# Altium PCB cyber60-alps-b2.PcbDoc (part 2 of 4)
Units mm, origin at the board's own origin, x right, y up, seen from the top; angles counter-clockwise.
Board outline 284.7 x 94.21 mm, 2 copper layers (Component Side, Bottom Layer), stack 1.571 mm thick; 225 components, 138 nets, 766 pads, 291 vias.
Unrouted connection lines stored in the file: 72.
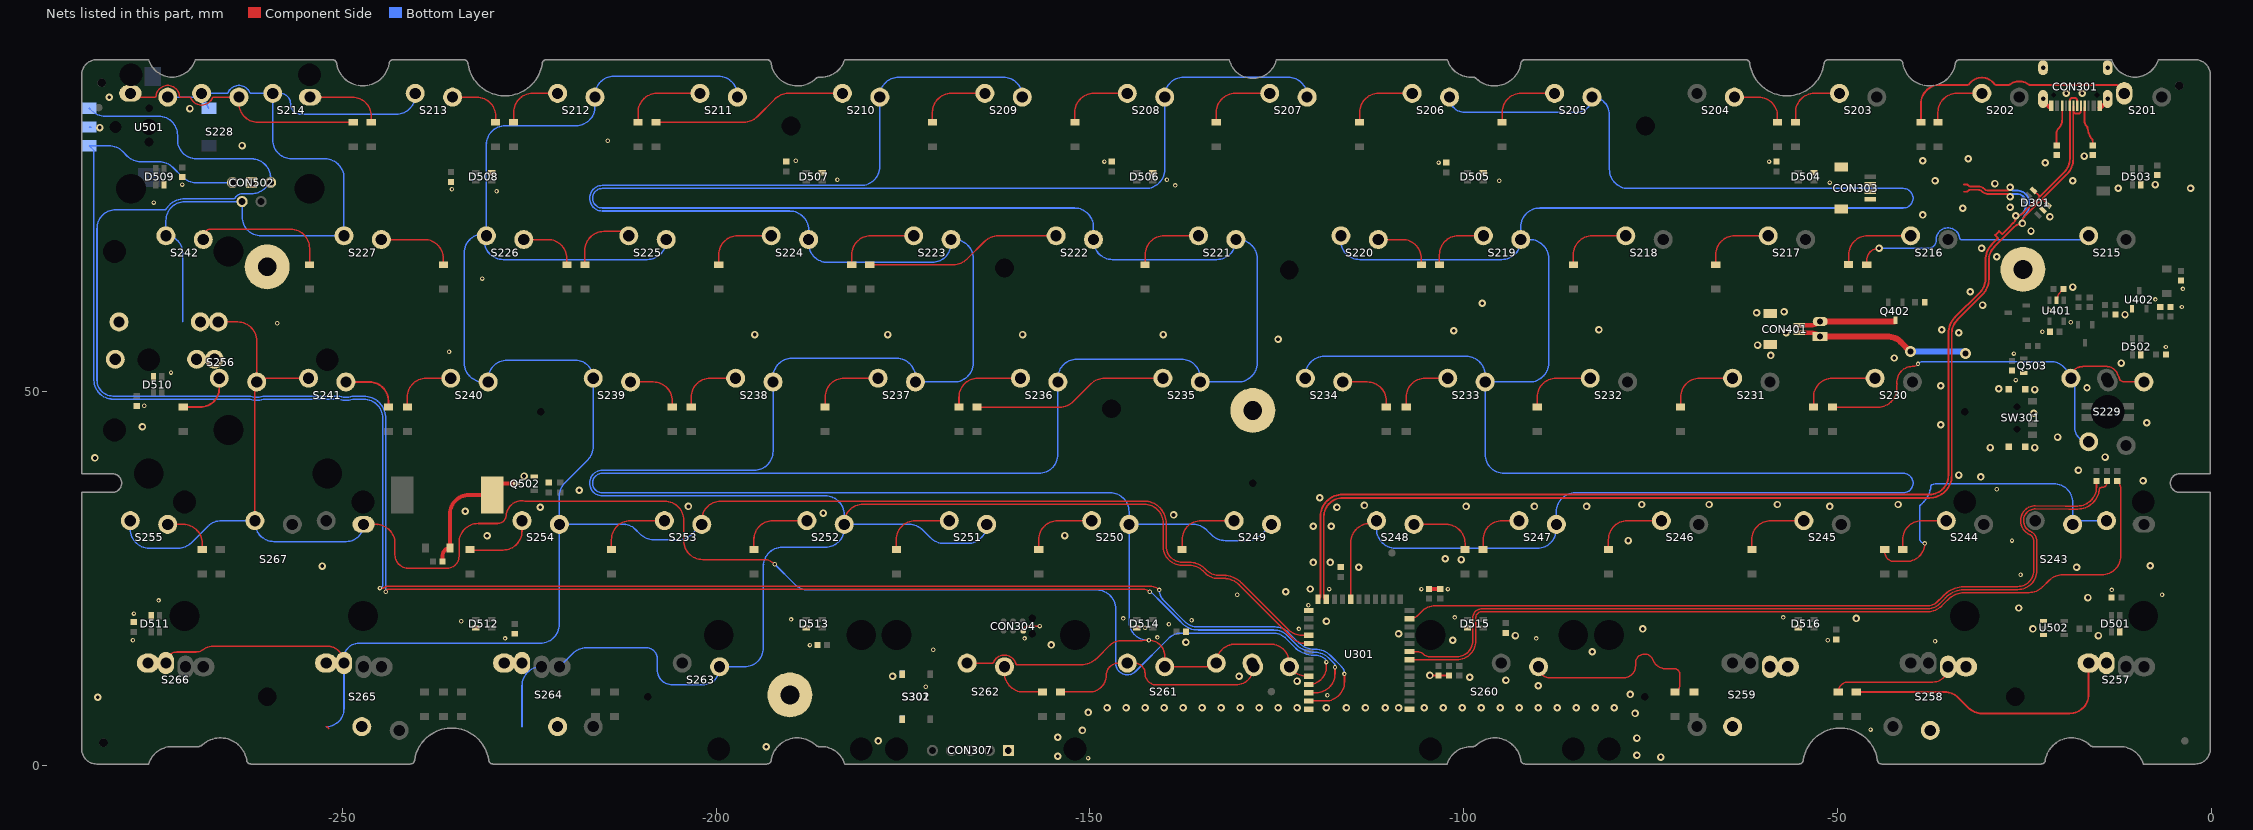
[diagram p2: the nets of this part, all layers, seen from the top]

## Via types
v1: diameter 1, hole 0.5, Component Side to Bottom Layer, tented both sides, 172 vias
v2: diameter 0.6, hole 0.3, Component Side to Bottom Layer, tented both sides, 113 vias
v3: diameter 1.5, hole 0.8, Component Side to Bottom Layer, tented both sides, 4 vias
v4: diameter 1.5, hole 0.75, Component Side to Bottom Layer, tented both sides, 2 vias

## Nets (pads, with @x,y where several pads share a name; then routed paths per layer and width w, separated by ;. In a path a pad name is that pad's centre, name@x,y a point inside that pad or via, vN(x,y) a via of type N, cw(c..) or ccw(c..) an arc to the next point about the centre after c; other vN are vias at no path point) (continued)
col3: S205.2 S206.2 S219.2 S220.2 S233.2 S234.2 S247.2 S248.2 U301.20 | length 377.8
  Component Side w0.203: U301.20@-115.1,22.25 -115.1,29.845 cw(c-112.56,29.845) -112.56,32.385 S248.2@-111.702,32.385
  Bottom Layer w0.203: S234.2@-121.187,51.815 -121.187,52.197 cw(c-118.647,52.197) -118.647,54.737 -99.677,54.737 cw(c-99.677,52.197) -97.137,52.197 S233.2@-97.137,51.315 ; S220.2@-116.465,70.231 ccw(c-113.925,70.231) -113.925,67.691 -94.915,67.691 ccw(c-94.915,70.231) -92.375,70.231 S219.2@-92.375,70.365 ; S248.2@-111.662,32.765 -111.662,31.623 ccw(c-109.122,31.623) -109.122,29.083 -90.152,29.083 ccw(c-90.152,31.623) -87.612,31.623 S247.2@-87.612,32.265 -87.612,33.944 cw(c-85.072,33.944) -85.072,36.484 -41.212,36.484 ccw(c-41.212,37.79) -41.209,39.096 ccw(c-41.212,37.79) -41.212,39.096 -42.418,39.096 -94.597,39.096 cw(c-94.597,41.636) -97.137,41.636 S233.2@-97.137,51.315 ; S206.2@-101.9,89.415 ccw(c-99.861,89.415) -99.861,87.376 -84.889,87.376 ccw(c-84.889,89.415) S205.2@-82.85,89.415 cw(c-82.85,87.083) -80.518,87.083 -80.518,79.736 ccw(c-77.978,79.736) -77.978,77.196 -41.212,77.196 cw(c-41.212,75.89) -41.212,74.584 -89.835,74.584 ccw(c-89.835,72.044) -92.375,72.044 S219.2@-92.375,70.365 ; S233.2@-97.137,51.315 -91.186,51.315 ccw(c-91.186,53.855) -88.646,53.855 -88.646,67.825 ccw(c-91.186,67.825) -91.186,70.365 S219.2@-92.375,70.365
col4: S207.2 S208.2 S221.2 S222.2 S235.2 S236.2 S249.2 S250.2 S261.1 S262.2 U301.33 | length 496.2
  Component Side w0.203: S262.2@-166.751,13.843 ccw(c-166.623,13.843) -166.623,13.715 S262.2@-166.431,13.715 -163.061,13.715 ccw(c-163.061,13.918) -162.874,13.838 cw(c-161.431,13.215) -161.795,14.744 cw(c-161.431,13.215) -159.918,13.639 ccw(c-159.722,13.694) -159.722,13.491 -151.217,13.491 ccw(c-151.217,16.586) -149.029,14.397 -147.306,16.119 cw(c-145.903,14.716) -145.903,16.7 -143.313,16.7 ccw(c-143.313,19.195) -142.775,16.759 cw(c-142.731,16.561) -142.73,16.764 v2(-142.113,16.764) cw(c-142.113,14.65) -139.999,14.65 S261.1@-139.999,13.215 -133.593,13.215 ccw(c-133.593,13.715) S261.1@-133.093,13.715 ; S261.1@-133.093,13.715 cw(c-130.553,13.716) -130.553,16.256 -125.863,16.256 cw(c-125.863,13.716) -123.323,13.716 S261.1@-123.323,13.215 -122.802,12.694 ccw(c-121.006,14.49) -121.006,11.95 U301.33@-120.75,11.95
  Bottom Layer w0.203: v2(-142.113,16.764) -142.222,16.764 cw(c-142.222,19.304) -144.762,19.304 S250.2@-144.762,32.265 ; S249.2@-125.712,32.265 -127.134,30.843 cw(c-128.93,32.639) -128.93,30.099 -131.917,30.099 cw(c-131.917,32.639) -133.713,30.843 -134.391,31.521 ccw(c-136.187,29.725) -136.187,32.265 S250.2@-144.762,32.265 ; S207.2@-120.95,89.415 -120.95,89.535 ccw(c-123.49,89.535) -123.49,92.075 -137.46,92.075 ccw(c-137.46,89.535) -140,89.535 S208.2@-140,89.415 -140,79.736 cw(c-142.54,79.736) -142.54,77.196 -215.212,77.196 ccw(c-215.212,75.89) -215.212,74.584 -152.065,74.584 cw(c-152.065,72.044) -149.525,72.069 cw(c-152.065,72.044) -149.525,72.044 S222.2@-149.525,70.365 -149.525,70.231 ccw(c-146.985,70.231) -146.985,67.691 -133.015,67.691 ccw(c-133.015,70.231) -130.475,70.231 S221.2@-130.475,70.365 -130.175,70.365 cw(c-130.175,67.825) -127.635,67.825 -127.635,53.855 cw(c-130.175,53.855) -130.175,51.315 S235.2@-135.237,51.315 -135.237,51.816 ccw(c-137.777,51.816) -137.777,54.356 -151.747,54.356 ccw(c-151.747,51.816) -154.287,51.816 S236.2@-154.287,51.315 -154.287,41.636 cw(c-156.827,41.636) -156.827,39.096 -215.212,39.096 ccw(c-215.212,37.79) -215.212,36.484 -147.302,36.484 cw(c-147.302,33.944) -144.762,33.944 S250.2@-144.762,32.265
col5: S209.2 S210.2 S223.2 S224.2 S237.2 S238.2 S251.2 S252.2 S263.2 S264.2 U301.29 | length 417.3
  Component Side w0.203: S252.2@-182.862,32.265 -182.862,32.432 cw(c-180.322,32.432) -180.322,34.972 -142.748,34.972 cw(c-142.748,32.432) -140.208,32.432 -140.208,29.337 ccw(c-137.668,29.337) -140.206,29.23 ccw(c-137.668,29.337) -137.668,26.797 -136.688,26.797 cw(c-136.688,24.257) -134.892,26.053 -134.62,25.781 ccw(c-132.834,27.567) -132.834,25.041 -132.114,25.041 cw(c-132.114,22.098) -130.033,24.18 -130.016,24.162 -125.538,19.685 -122.947,17.094 ccw(c-121.151,18.89) U301.29@-121.151,16.35
  Bottom Layer w0.203: -225.962,5.215 -225.962,10.675 cw(c-223.422,10.675) -223.422,13.215 -223.343,13.215 ; -220.962,13.215 -219.173,15.004 cw(c-217.377,13.208) -217.377,15.748 -209.296,15.748 cw(c-209.296,14.34) -207.888,14.34 -207.888,12.862 ccw(c-205.821,12.862) -205.821,10.795 -201.803,10.795 ccw(c-201.803,13.067) -199.531,13.067 S263.2@-199.531,13.215 -196.215,13.215 ccw(c-196.215,15.755) -193.675,15.755 -193.675,26.67 cw(c-191.135,26.67) -191.135,29.21 -185.402,29.21 ccw(c-185.402,31.75) -182.862,31.75 S252.2@-182.862,32.265 ; S251.2@-163.812,32.265 -163.812,32.258 cw(c-166.352,32.258) -166.352,29.718 -169.509,29.718 cw(c-169.509,32.258) -171.305,30.462 -172.364,31.521 ccw(c-174.16,29.725) -174.16,32.265 S252.2@-182.862,32.265 ; S209.2@-159.05,89.415 -159.05,89.535 ccw(c-161.59,89.535) -161.59,92.075 -175.56,92.075 ccw(c-175.56,89.535) -178.1,89.535 S210.2@-178.1,89.415 -178.1,80.14 cw(c-180.64,80.14) -180.64,77.6 -215.212,77.6 ccw(c-215.212,75.89) -215.212,74.18 -190.165,74.18 cw(c-190.165,71.64) -187.625,71.64 S224.2@-187.625,70.365 -187.625,69.85 ccw(c-185.085,69.85) -186.29,67.614 ccw(c-185.085,69.85) -185.085,67.31 -171.115,67.31 ccw(c-171.115,69.85) -168.575,69.85 S223.2@-168.575,70.365 -168.148,70.365 cw(c-168.148,67.825) -165.608,67.825 -165.608,53.855 cw(c-168.148,53.855) -168.148,51.315 S237.2@-173.337,51.315 -173.337,51.943 ccw(c-175.877,51.943) -175.877,54.483 -189.847,54.483 ccw(c-189.847,51.943) -192.387,51.943 S238.2@-192.387,51.315 -192.387,42.04 cw(c-194.927,42.04) -194.927,39.5 -215.212,39.5 ccw(c-215.212,37.79) -215.212,36.08 -185.402,36.08 cw(c-185.402,33.54) -182.862,33.54 S252.2@-182.862,32.265
col6: S211.2 S212.2 S225.2 S226.2 S239.2 S240.2 S253.2 S254.2 S265.2 S266.2 U301.28 | length 342.3
  Component Side w0.203: S266.2@-273.587,13.715 cw(c-272.105,13.715) -272.105,15.197 -269.538,15.197 ccw(c-269.538,16.664) -268.63,15.512 cw(c-267.311,13.831) -267.311,15.968 -252.022,15.968 cw(c-252.022,13.715) S265.2@-249.769,13.715 ccw(c-252.056,13.715) -251.645,15.965 ccw(c-251.682,15.765) -251.683,15.968 ; -252.15,5.215 -252.103,5.215 cw(c-252.103,4.953) -251.841,4.953 ; S253.2@-201.912,32.265 -201.912,32.836 cw(c-199.372,32.836) -199.372,35.376 -142.748,35.376 cw(c-142.748,32.432) -141.213,34.943 cw(c-142.748,32.432) -140.179,33.869 ; -140.179,33.869 cw(c-142.748,32.432) -139.805,32.432 -139.805,29.337 ccw(c-137.668,29.337) -139.446,28.152 ccw(c-137.668,29.337) -137.668,27.2 -136.688,27.2 cw(c-136.688,24.257) -135.228,26.813 cw(c-136.688,24.257) -134.608,26.339 -134.336,26.067 ccw(c-132.834,27.567) -132.834,25.444 -132.114,25.444 cw(c-132.114,22.098) -130.326,24.927 cw(c-132.114,22.098) -129.747,24.464 -129.73,24.447 -126.555,21.273 -124.46,19.177 -123.477,18.194 ccw(c-121.681,19.99) -121.681,17.45 U301.28@-120.75,17.45
  Bottom Layer w0.203: -252.15,5.215 ccw(c-252.15,7.596) -249.769,7.596 S265.2@-249.769,13.715 ; S265.2@-249.809,14.295 cw(c-247.721,14.295) -247.721,16.383 -223.502,16.383 ccw(c-223.502,18.923) -220.962,18.923 S254.2@-220.962,32.265 ; S225.2@-206.837,71.21 cw(c-208.954,70.365) S225.2@-206.675,70.365 -206.675,70.231 cw(c-209.215,70.231) -209.215,67.691 -228.473,67.691 cw(c-228.473,70.231) -231.013,70.231 -231.013,70.739 cw(c-230.887,70.739) -230.887,70.865 S226.2@-230.725,70.865 S226.2@-230.725,71.12 ; S253.2@-201.912,32.265 -203.207,30.97 cw(c-205.003,32.766) -205.003,30.226 -208.371,30.226 cw(c-208.371,32.766) -210.167,30.97 -210.82,31.623 ccw(c-212.37,30.073) -212.37,32.265 S254.2@-220.962,32.265 ; S211.2@-197.15,89.415 -197.15,89.662 ccw(c-199.69,89.662) -199.69,92.202 -213.66,92.202 ccw(c-213.66,89.662) -216.2,89.662 S212.2@-216.2,89.415 -216.2,88.138 cw(c-218.74,88.138) -216.207,87.955 cw(c-218.74,88.138) -218.74,85.598 -228.185,85.598 ccw(c-228.185,83.058) -230.725,83.058 S226.2@-230.725,71.12 ; S226.2@-230.725,71.12 -231.14,71.12 ccw(c-231.14,68.58) -233.68,68.58 -233.68,53.855 ccw(c-231.14,53.855) -231.14,51.315 S240.2@-230.487,51.315 -230.487,51.689 cw(c-227.947,51.689) -227.947,54.229 -218.851,54.229 cw(c-218.851,51.815) S239.2@-216.437,51.815 -216.437,42.679 cw(c-218.977,42.679) -217.181,40.883 -220.218,37.846 ccw(c-218.422,36.05) -220.962,36.05 S254.2@-220.962,32.265
col7: CON501.2 S213.2 S214.2 S227.2 S228.1 S241.2 S242.2 S255.2 S256.1 S267.2 U301.34 U501.2 | length 349.6
  Component Side w0.203: S256.1@-266.599,59.345 -263.99,59.345 cw(c-263.99,56.805) -261.45,56.805 S256.1@-261.45,51.315 ; S267.2@-261.68,32.765 -261.68,51.085 cw(c-261.45,51.085) S256.1@-261.45,51.315 ; S241.2@-254.512,51.815 -260.528,51.815 ccw(c-260.528,51.104) -261.239,51.104 ccw(c-261.45,51.104) S256.1@-261.45,51.315 ; S267.2@-247.155,32.265 -245.491,32.265 cw(c-245.491,29.725) -242.951,29.725 -242.951,28.194 ccw(c-241.173,28.194) -241.173,26.416 -235.966,26.416 ccw(c-235.966,28.003) -234.379,28.003 -234.379,29.845 cw(c-231.838,29.845) -231.838,32.385 -229.212,32.385 ccw(c-229.212,33.526) -229.127,32.388 ccw(c-229.212,33.526) -228.078,33.398 cw(c-226.002,33.345) -226.243,35.407 cw(c-226.002,33.345) -225.588,35.38 ccw(c-225.548,35.579) -225.548,35.376 -223.647,35.376 -208.407,35.376 -206.883,35.376 ; -206.882,35.376 cw(c-206.883,32.836) -204.343,32.836 -204.343,30.099 ccw(c-201.803,30.099) -201.803,27.559 -193.675,27.559 cw(c-193.675,25.403) v2(-192.15,26.927) ; U301.34@-120.75,10.85 ccw(c-120.75,13.236) -118.872,11.764 ccw(c-120.75,13.236) -118.364,13.236 v2(-118.364,13.843)
  Bottom Layer w0.203: S255.2@-278.35,32.765 -278.35,31.623 ccw(c-275.81,31.623) -275.81,29.083 -271.943,29.083 ccw(c-271.943,31.623) -270.147,29.827 -267.953,32.021 cw(c-266.157,30.225) -266.157,32.765 S267.2@-261.68,32.765 -261.68,32.512 ccw(c-259.14,32.512) -259.14,29.972 -249.448,29.972 ccw(c-249.448,32.265) S267.2@-247.155,32.265 ; S228.1@-273.344,89.415 -269.319,89.415 ccw(c-269.319,89.915) S228.1@-268.819,89.915 ; -271.361,59.345 -271.361,68.639 ccw(c-273.587,68.639) S242.2@-273.587,70.865 -273.587,72.898 cw(c-271.047,72.898) -271.047,75.438 CON501.2@-263.398,75.438 -263.398,73.405 ccw(c-260.858,73.405) -260.858,70.865 S227.2@-249.775,70.865 -249.775,78.613 ccw(c-252.315,78.613) -252.315,81.153 -256.76,81.153 cw(c-256.76,83.693) -259.3,83.693 S214.2@-259.3,89.915 -258.317,89.915 cw(c-258.317,88.519) -256.921,88.519 ccw(c-255.524,88.519) -255.524,87.122 -242.79,87.122 ccw(c-242.79,89.662) -240.25,89.662 S213.2@-240.25,89.915 ; U501.2@-267.844,87.915 S228.1@-268.819,89.915 ; S214.2@-259.3,89.915 -262.189,89.915 cw(c-262.189,90.118) -262.376,90.038 ccw(c-263.819,89.415) -265.262,90.038 cw(c-265.449,90.118) -265.449,89.915 S228.1@-268.819,89.915 ; v2(-192.15,26.927) -189.462,24.239 ccw(c-187.666,26.035) -187.666,23.495 -149.095,23.495 cw(c-149.095,20.955) -146.555,20.955 -146.555,13.936 ccw(c-144.999,13.715) -146.56,13.899 ccw(c-144.999,13.715) -144.818,12.154 ccw(c-144.999,13.715) -143.812,12.685 ; -143.975,12.523 ccw(c-144.999,13.715) -143.812,12.685 ; v2(-118.364,13.843) ccw(c-118.977,13.843) -118.544,14.277 -118.584,14.317 ccw(c-119.881,12.619) -118.913,14.524 ccw(c-119.881,12.619) -119.881,14.756 -119.98,14.756 cw(c-119.98,18.505) -120.171,14.761 ccw(c-120.182,14.558) -120.183,14.761 -120.339,14.761 ccw(c-120.427,14.578) -120.404,14.78 cw(c-119.98,18.505) -122.629,15.852 -122.651,15.874 -123.769,16.992 ccw(c-125.565,15.196) -125.565,17.736 -137.711,17.736 ccw(c-137.711,15.196) -139.507,16.992 -143.802,12.696 ccw(c-143.659,12.552) -143.811,12.686 ccw(c-143.659,12.552) -143.812,12.685
D_N: CON301.A7 CON301.B7 CON303.2 D301.3 U301.23 | length 171.1
  Component Side w0.254: U301.23@-118.4,22.25 cw(c-118.4,22.571) -118.721,22.571 -118.721,33.274 cw(c-116.181,33.274) -116.181,35.814 -37.719,35.814 ccw(c-37.719,38.811) -34.722,38.811 -34.722,57.825 cw(c-32.182,57.825) -33.978,59.621 -30.646,62.953 ccw(c-32.763,65.07) -29.769,65.07 -29.769,67.593 cw(c-27.229,67.593) -29.025,69.389 -26.337,72.076 cw(c-25.273,71.012) v1(-25.273,72.517) -25.273,72.765 cw(c-24.366,72.765) -25.008,73.405 ; -33.125,77.75 -32.842,77.75 cw(c-32.842,77.287) -32.514,77.614 -32.464,77.564 ccw(c-32.258,77.77) -32.258,77.479 -31.182,77.479 cw(c-31.182,76.39) -30.412,77.16 -30.411,77.158 ccw(c-29.818,77.751) -29.818,76.913 -27.354,76.913 ccw(c-27.354,77.343) v1(-26.924,77.343) ; -25.007,73.406 -22.6,75.813 ; D301.3@-21.975,75.134 -22.562,75.722 cw(c-22.471,75.813) -22.6,75.813 ; CON301.A7@-18.471,87.948 -18.471,81.182 cw(c-21.466,81.182) -19.347,79.066 cw(c-21.466,81.182) -19.348,79.065 -22.6,75.813 ; CON301.A7@-18.45,88.25 cw(c-18.681,88.144) -18.427,88.144 -18.427,87.525 ccw(c-18.1,87.525) -18.1,87.198 -17.8,87.198 ccw(c-17.8,87.525) -17.473,87.525 CON301.B7@-17.473,88.138
  Bottom Layer w0.254: v1(-26.924,77.343) ccw(c-26.518,77.343) -26.518,76.937 -26.06,76.937 cw(c-26.06,75.184) -24.308,75.184 cw(c-26.605,75.184) -24.981,73.56 ccw(c-24.274,72.854) -25.273,72.854 v1(-25.273,72.517)
D_P: CON301.A6 CON301.B6 CON303.3 D301.4 U301.24 | length 171.2
  Component Side w0.254: U301.24@-119.5,22.25 ccw(c-119.5,22.571) -119.179,22.571 -119.179,33.274 cw(c-116.181,33.274) -116.181,36.271 -37.719,36.271 ccw(c-37.719,38.811) -35.179,38.811 -35.179,57.826 cw(c-32.185,57.826) -35.179,57.83 cw(c-32.185,57.826) -34.302,59.944 -30.97,63.276 ccw(c-32.766,65.072) -30.226,65.072 -30.226,67.594 cw(c-27.232,67.594) -29.35,69.71 cw(c-27.232,67.594) -29.349,69.711 -28.613,70.447 -28.523,70.537 -28.934,70.948 -28.395,71.487 -27.984,71.076 -27.114,71.945 -26.479,72.581 ; -33.125,76.75 -32.842,76.75 ccw(c-32.842,77.213) -32.514,76.886 -32.464,76.936 cw(c-32.258,76.73) -32.258,77.021 -31.184,77.021 cw(c-31.184,76.385) -30.734,76.835 ccw(c-29.818,77.749) -29.818,76.455 -27.306,76.455 cw(c-27.306,76.073) v1(-26.924,76.073) ; -26.482,72.583 ccw(c-27.254,73.355) -26.162,73.355 v1(-26.162,73.533) ccw(c-26.162,75.066) -25.078,73.982 -22.987,76.073 ; D301.4@-23.672,76.831 -23.039,76.198 cw(c-23.164,76.073) -22.987,76.073 ; CON301.B6@-18.95,88.25 ccw(c-19.181,88.356) -18.927,88.357 -18.927,88.975 cw(c-18.6,88.975) -18.6,89.302 -18.3,89.302 cw(c-18.3,88.975) -17.973,88.975 -17.973,88.356 ccw(c-17.719,88.356) CON301.A6@-17.95,88.25 ; CON301.B6@-18.929,87.948 -18.929,81.184 cw(c-21.469,81.184) -19.673,79.387 -22.987,76.073
  Bottom Layer w0.254: v1(-26.924,76.073) cw(c-26.518,76.073) -26.518,76.479 -26.06,76.479 cw(c-26.06,75.184) -24.765,75.184 cw(c-26.605,75.184) -25.304,73.883 -25.4,73.787 cw(c-26.013,74.4) -26.013,73.533 v1(-26.162,73.533)
ENC_A: CON502.3 U301.36 U501.A | length 258.6
  Component Side w0.203: v2(-244.961,23.749) -244.576,23.749 ccw(c-244.576,23.952) -244.481,23.773 cw(c-244.199,23.241) -244.361,23.82 ccw(c-244.415,24.016) -244.294,23.853 cw(c-243.84,23.241) -243.84,24.003 -141.942,24.003 cw(c-141.942,22.269) v2(-140.716,23.495) ; U301.36@-120.75,8.65 -118.491,8.65 ccw(c-118.491,11.19) -115.951,11.19 v2(-115.951,12.263)
  Bottom Layer w0.203: CON502.3@-264.668,78.207 CON502.3@-264.668,77.978 -269.585,77.978 cw(c-269.585,80.518) -271.381,78.722 -272.687,80.028 ccw(c-274.483,78.232) -274.483,80.772 -276.951,80.772 cw(c-276.951,83.312) -278.747,81.516 -279.402,82.171 ccw(c-281.198,80.375) -281.198,82.915 U501.A@-283.844,82.915 -283.21,82.281 -283.21,52.832 -283.21,52.324 -283.21,51.562 ccw(c-280.67,51.562) -280.67,49.022 -262.434,49.022 cw(c-262.433,48.819) -262.359,49.008 ccw(c-261.45,51.315) -260.541,49.008 cw(c-260.467,48.819) -260.467,49.022 -250.495,49.022 cw(c-250.495,48.819) -250.421,49.008 ccw(c-249.512,51.315) -248.603,49.008 cw(c-248.529,48.819) -248.528,49.022 -247.142,49.022 cw(c-247.142,46.482) -244.602,46.482 -244.602,24.108 cw(c-244.961,24.108) v2(-244.961,23.749) ; v2(-140.716,23.495) ccw(c-138.72,23.495) -140.131,22.084 -137.334,19.286 ccw(c-135.538,21.082) -135.538,18.542 -125.231,18.542 cw(c-125.231,16.002) -123.435,17.798 -122.317,16.68 -122.06,16.424 ccw(c-119.98,18.505) -119.98,15.562 -119.881,15.562 cw(c-119.881,12.619) -117.801,14.701 -116.367,13.267 cw(c-117.372,12.263) v2(-115.951,12.263)
ENC_B: CON502.1 U301.35 U501.B | length 278.2
  Component Side w0.203: v2(-244.199,23.241) cw(c-243.84,23.241) -243.84,23.6 -142.852,23.6 cw(c-142.852,22.375) v2(-141.986,23.241) ; U301.35@-120.75,9.75 -119.761,9.75 ccw(c-119.761,12.29) -117.656,10.868 ccw(c-119.761,12.29) -117.221,12.29 v2(-117.221,13.17)
  Bottom Layer w0.203: U501.B@-283.844,87.915 -283.541,87.612 ccw(c-281.745,89.408) -281.745,86.868 -274.574,86.868 cw(c-274.574,84.328) -272.034,84.328 -272.034,83.69 ccw(c-269.494,83.69) -269.494,81.15 -262.128,81.15 cw(c-262.128,78.61) -259.588,78.61 CON502.1@-259.588,77.978 -260.309,77.257 cw(c-262.105,79.053) -261.521,76.581 cw(c-262.105,79.053) -262.105,76.513 -263.333,76.513 cw(c-263.428,76.692) -263.423,76.489 ccw(c-263.398,75.438) -264.319,75.946 cw(c-264.497,76.044) -264.497,75.841 -269.367,75.841 -271.047,75.841 ccw(c-271.047,72.898) -273.539,74.466 cw(c-273.711,74.574) -273.711,74.371 -278.01,74.371 -280.267,74.371 ccw(c-280.267,71.831) -282.702,72.553 ccw(c-280.267,71.831) -282.807,71.831 -282.807,70.993 -282.807,55.88 -282.807,51.562 ccw(c-280.67,51.562) -282.236,50.108 ccw(c-280.67,51.562) -280.67,49.425 -262.354,49.425 cw(c-262.353,49.222) -262.273,49.409 ccw(c-261.45,51.315) -260.627,49.409 cw(c-260.547,49.222) -260.546,49.425 -250.414,49.425 cw(c-250.415,49.222) -250.335,49.409 ccw(c-249.512,51.315) -248.689,49.409 cw(c-248.609,49.222) -248.608,49.425 -247.142,49.425 cw(c-247.142,46.482) -245.509,48.931 ; -245.509,48.931 cw(c-247.142,46.482) -244.287,47.196 cw(c-247.142,46.482) -244.199,46.482 v2@-244.199,23.241 ; v2(-141.986,23.241) cw(c-141.986,22.934) -141.769,23.151 -140.335,21.717 -137.986,19.367 -137.618,19 ccw(c-135.538,21.082) -135.538,18.139 -125.398,18.139 cw(c-125.398,15.599) -123.602,17.395 -122.344,16.137 ccw(c-119.98,18.505) -119.98,15.159 -119.881,15.159 cw(c-119.881,12.619) -118.085,14.415 -117.323,13.652 cw(c-117.691,13.284) v2@-117.17,13.284
GND: C301.1 C302.1 C303.1 C307.1 C402.1 C403.1 C404.1 C406.1 C501.1 C502.1 C503.1 C504.1 C505.1 C506.1 C507.1 C508.1 C509.1 C510.1 C511.1 C512.1 C513.1 C514.1 C515.1 C516.1 CON301.A1B12 CON301.B1A12 CON301.S1 CON303.4 CON303.5 CON304.5 CON307.1 CON401.2 CON401.3 CON402.2 CON502.2 D301.2 D501.3 D502.3 D503.3 D504.3 D505.3 D506.3 D507.3 D508.3 D509.3 D510.3 D511.3 D512.3 D513.3 D514.3 D515.3 D516.3 pad.@-25.2,66.365 pad.@-128.212,47.5 pad.@-190.119,9.45 pad.@-260.05,66.715 Q502.2 Q503.2 R301.2 R302.2 R307.2 R402.2 R403.2 R404.2 R511.2 R515.2 S301.1 S302.2 SW301.M U301.1 U301.25 U301.37 U401.2 U402.1 U501.C U502.1 U502.3 | length 35
  Component Side w0.203: CON304.5@-158.924,18.034 cw(c-158.289,18.034) -158.289,18.669 v2(-156.718,18.669) ; U401.2@-20.701,62.216 -20.614,62.303 cw(c-19.084,62.303) -20.528,62.811 cw(c-19.084,62.303) -20.318,63.208 cw(c-19.084,62.303) -20.166,63.385 C406.1@-19.797,63.754
  Component Side w0.254: v1(-104.521,12.065) -101.996,12.065 R307.2@-101.981,12.05
  Component Side w0.508: C301.1@-104.648,23.637 C302.1@-103.124,23.637 ; CON301.S1@-22.52,88.915 -21.715,88.11 ccw(c-21.45,88.374) CON301.B1A12@-21.45,88 ; CON301.A1B12@-14.95,88 ccw(c-14.95,88.374) -14.685,88.11 CON301.S1@-13.88,88.915
  Component Side w0.6: CON401.2@-55.118,57.896 -53.512,57.896 cw(c-53.512,56.216) CON402.2@-52.324,57.404
  Component Side w0.8: CON402.2@-52.324,57.404 -43.343,57.404 cw(c-43.343,54.864) -41.547,56.66 v3(-40.259,55.372)
  Bottom Layer w0.203: U501.C@-283.844,85.415 U501.C@-283.594,85.415 ; CON502.2@-262.128,77.978 CON502.2@-262.128,78.156
  Bottom Layer w0.8: v3(-40.259,55.372) -33.147,55.372 v3(-32.893,55.118)
  other v1: -73.66,1.143 -154.305,1.27 -76.835,1.397 -193.3,2.539 -178.308,3.302 -76.835,3.683 -154.305,3.81 -151,4.7 -77.089,6.985 -150.241,7.112 -147.701,7.747 -145.161,7.747 -142.621,7.747 -140.081,7.747 -137.541,7.747 -135.001,7.747 -132.461,7.747 -129.921,7.747 -127.381,7.747 -124.841,7.747 -122.301,7.747 -118.364,7.747 -115.697,7.747 -113.157,7.747 -110.49,7.747 -108.712,7.747 -105.283,7.747 -102.743,7.747 -100.203,7.747 -97.663,7.747 -95.123,7.747 -92.583,7.747 -90.043,7.747 -87.503,7.747 -84.963,7.747 -82.423,7.747 -79.883,7.747 -282.708,9.143 -77.724,9.525 -90.043,10.668 -122.301,11.303 -94.361,11.43 -99.187,11.811 -176.403,11.938 -130.048,11.938 -82.804,15.24 -155.157,16.144 -137.16,16.51 -101.473,16.764 -93.091,17.399 -15.113,17.399 -108.712,17.653 -76.073,18.288 -23.876,18.288 -118.364,19.304 -47.498,19.685 -25.781,21.082 -16.51,22.479 -123.825,23.241 -120.523,23.622 -114.046,26.543 -18.034,26.543 -252.683,26.691 -8.176,26.721 -120.142,27.178 -117.856,27.178 -100.33,27.559 -102.489,27.686 -77.983,30.108 -230.632,30.734 -153.379,30.771 -117.729,32.004 -120.147,32.013 -138.811,33.528 -185.674,33.782 -233.553,34.036 -223.52,34.544 -116.967,34.544 -203.708,34.671 -99.695,34.671 -90.551,34.671 -83.566,34.671 -51.054,34.671 -113.289,34.807 -76.2,34.925 -67.183,34.925 -58.039,34.925 -41.91,34.925 -119.253,35.814 -218.313,36.83 -9.144,38.1 -30.861,38.608 -225.679,38.735 -33.782,38.862 -17.78,39.497 -283.083,41.148 -14.224,41.275 -29.591,42.545 -23.622,42.545 -20.574,43.942 -276.733,45.339 -36.195,45.593 -8.636,45.847 -23.749,47.117 -23.622,50.292 -28.448,50.419 -16.637,50.546 -36.195,50.8 -12.065,53.848 -42.406,54.519 -58.928,54.864 -60.706,56.245 -124.841,57.023 -194.818,57.658 -177.038,57.658 -159.004,57.658 -140.208,57.658 -56.896,57.912 -33.782,57.912 -101.346,58.166 -81.915,58.293 -36.068,58.293 -11.557,60.325 -60.833,60.563 -57.15,60.706 -30.607,61.595 -97.536,61.849 -32.258,63.373 -18.542,64.008 -28.702,68.072 -30.734,69.215 -24.13,71.501 -21.59,73.406 -38.608,73.66 -33.274,74.549 -26.924,74.676 -12.446,77.216 -2.781,77.227 -7.493,77.724 -28.956,77.851 -36.957,78.232 -18.542,78.232 -22.225,80.645 -38.608,80.899 -32.512,81.153 -17.018,81.534 -263.398,82.931 -282.448,85.344 -270.383,87.884 -281.178,89.408 -19.431,89.916 -17.272,89.916
  other v2: -150.241,1.016 -45.593,4.826 -118.237,9.398 -171.958,10.541 -170.942,15.494 -187.452,16.129 -36.957,16.637 -278.003,16.764 -51.308,16.764 -228.219,17.018 -158.75,17.018 -90.297,17.018 -140.97,17.145 -122.047,18.288 -142.621,18.415 -139.431,18.923 -234.076,19.304 -136.398,19.431 -189.977,19.558 -145.542,19.685 -101.219,19.812 -57.277,19.812 -277.869,20.337 -120.777,21.463 -274.574,22.098 -130.302,22.86 -6.604,22.86 -13.335,23.495 -117.983,23.622 -105.664,23.622 -102.108,23.622 -25.527,25.527 -26.67,30.099 -28.702,36.957 -276.494,48.118 -26.162,51.562 -272.909,52.567 -26.416,55.118 -235.712,55.372 -6.081,55.992 -22.606,58.039 -258.699,59.182 -18.796,59.309 -21.707,60.988 -3.937,61.341 -7.493,62.357 -3.81,63.754 -231.267,65.151 -275.209,75.311 -229.362,76.835 -235.331,77.089 -138.572,77.597 -271.399,77.724 -51.054,77.978 -95.265,78.232 -139.7,78.359 -183.769,78.374 -103.363,80.66 -148.067,80.787 -59.167,80.787 -189.357,80.899 -214.503,83.566
LED1: R512.2 U301.12 | length 107.6
  Component Side w0.203: U301.12@-107.25,19.65 ccw(c-107.25,21.248) -106.12,20.118 -105.584,20.654 cw(c-103.788,18.858) -105.293,20.904 cw(c-103.788,18.858) -103.788,21.398 -37.889,21.398 ccw(c-37.889,23.132) -37.277,21.51 ccw(c-37.889,23.132) -36.663,21.906 -35.976,22.593 -35.863,22.706 cw(c-32.994,20.01) -35.137,23.313 cw(c-32.994,20.01) -33.994,23.818 cw(c-32.994,20.01) -33.169,23.943 ccw(c-33.178,24.146) -33.146,23.945 cw(c-33.02,23.149) -33.02,23.955 -25.892,23.955 ccw(c-25.892,26.092) -24.583,24.403 ccw(c-25.892,26.092) -24.088,24.946 ; -24.396,24.567 ccw(c-25.892,26.092) -23.755,26.092 -23.755,29.999 ccw(c-24.819,30.001) -23.755,30.004 ccw(c-24.819,30.001) -24.375,30.968 ccw(c-24.819,30.001) -24.378,30.969 cw(c-23.556,32.765) -24.635,31.111 cw(c-23.556,32.765) -25.001,34.112 cw(c-23.556,32.765) -23.545,34.74 -19.558,34.719 -17.907,34.719 ccw(c-17.907,37.259) -15.367,37.259 R512.2@-15.367,38.085 R512.2@-15.367,38.212
LED2: R513.2 U301.8 | length 113.2
  Component Side w0.203: U301.8@-107.25,15.25 -106.235,15.25 cw(c-106.235,14.02) -105.366,14.89 ccw(c-104.553,15.702) -104.553,14.553 -100.943,14.553 ccw(c-100.943,16.69) -99.126,15.565 ccw(c-100.943,16.69) -98.806,16.69 -98.806,19.732 cw(c-97.543,19.732) -97.543,20.995 -37.889,20.995 ccw(c-37.889,23.132) -36.608,21.422 ccw(c-37.889,23.132) -36.378,21.621 -35.576,22.423 ccw(c-35.719,22.567) -35.571,22.428 cw(c-32.994,20.01) -33.128,23.541 ccw(c-33.135,23.744) -33.097,23.545 cw(c-33.02,23.149) -33.02,23.552 -25.892,23.552 ccw(c-25.892,26.092) -23.352,26.092 -23.352,29.999 ccw(c-24.819,30.001) -23.352,30.004 ccw(c-24.819,30.001) -24.207,31.335 ; -24.358,31.413 ccw(c-23.556,32.765) -24.21,31.336 cw(c-24.819,30.001) -24.207,31.335 ; -19.05,34.313 -23.546,34.337 ccw(c-23.556,32.765) -23.849,34.309 ccw(c-23.556,32.765) -24.753,31.747 ccw(c-23.556,32.765) -24.207,31.335 ; -19.05,34.315 -17.907,34.315 ccw(c-17.907,37.259) -16.333,34.772 ccw(c-17.907,37.259) -15.091,36.404 ccw(c-17.907,37.259) -14.976,36.992 cw(c-14.774,36.974) -14.852,37.161 cw(c-14.605,36.576) -14.605,37.211 ccw(c-14.605,37.846) -13.97,37.846 R513.2@-13.97,38.085 ; R513.2@-13.843,38.085 R513.2@-13.843,38.212
LED3: R508.1 U301.7 | length 113.5
  Component Side w0.203: U301.7@-107.25,14.15 -100.943,14.15 ccw(c-100.943,16.69) -98.403,16.69 -98.403,19.732 cw(c-97.543,19.732) -98.359,20.002 cw(c-97.543,19.732) -97.543,20.592 -37.889,20.592 ccw(c-37.889,23.132) -36.093,21.336 -35.286,22.143 ccw(c-35.43,22.287) -35.282,22.147 ; -35.13,22.299 ccw(c-32.994,20.01) -35.281,22.148 ; -33.021,23.148 -33.032,23.145 cw(c-33.082,23.343) -33.076,23.14 ccw(c-32.994,20.01) -35.282,22.147 ; -33.02,23.149 -24.385,23.149 ccw(c-24.385,25.689) -22.589,23.893 -21.699,24.783 cw(c-19.903,22.987) -19.903,25.527 -14.663,25.527 ccw(c-14.663,28.067) -12.123,28.067 -12.123,36.998 ccw(c-13.66,36.998) R508.1@-12.573,38.085
NetBZ501_2: BZ501.2 D517.1 Q502.3 R509.2 | length 18.7
  Component Side w0.508: R509.2@-236.586,27.305 -236.586,28.098 cw(c-235.601,28.098) D517.1@-235.601,29.083 -235.601,33.655 cw(c-233.061,33.655) -233.061,36.195 BZ501.2@-229.966,36.195 -229.966,36.648 -229.966,37.719 Q502.3@-226.752,37.719
NetCON301_A5: CON301.A5 R302.1 | length 5.3
  Component Side w0.254: CON301.A5@-16.95,88 -16.977,86.25 ccw(c-15.9,86.233) -16.641,85.451 -16.638,85.449 cw(c-16.813,85.264) -16.56,85.292 ccw(c-13.462,85.634) -16.549,85.205 ccw(c-13.462,85.634) -16.549,85.203 ccw(c-13.462,85.634) -16.522,85.038 ccw(c-13.462,85.634) -16.342,84.441 ccw(c-13.462,85.634) -15.928,83.728 cw(c-16.129,83.572) -15.875,83.571 R302.1@-15.875,82.946
NetCON301_B5: CON301.B5 R301.1 | length 5.3
  Component Side w0.254: R301.1@-20.701,82.946 -20.701,84.582 -20.701,84.634 cw(c-19.917,84.634) -20.471,85.188 ccw(c-21.73,86.447) -19.95,86.447 CON301.B5@-19.95,88
NetCON401_1: CON401.1 CON402.1 Q402.3 | length 12.8
  Component Side w0.6: CON401.1@-55.118,58.896 -53.55,58.896 ccw(c-53.55,60.63) CON402.1@-52.324,59.404
  Component Side w0.8: CON402.1@-52.324,59.404 Q402.3@-42.418,59.404
NetD201_1: D201.1 S201.2 | length 32.6
  Component Side w0.254: D201.1@-38.862,86.05 -38.862,88.519 cw(c-36.322,88.519) -36.322,91.059 -32.596,91.059 ccw(c-32.596,91.313) -32.392,91.162 ; -32.392,91.162 cw(c-30.7,89.915) -29.008,91.162 ccw(c-28.804,91.313) -28.804,91.059 -27.095,91.059 ccw(c-27.095,91.313) -26.945,91.108 cw(c-25.7,89.415) -24.455,91.108 ccw(c-24.305,91.313) -24.305,91.059 -12.794,91.059 cw(c-12.794,89.915) S201.2@-11.65,89.915
NetD202_1: D202.1 S202.1 | length 8.7
  Component Side w0.203: D202.1@-36.576,86.05 -36.576,87.375 cw(c-34.036,87.375) -34.036,89.915 S202.1@-30.7,89.915
NetD203_1: D203.1 S203.1 | length 8.7
  Component Side w0.203: D203.1@-55.626,86.05 -55.626,87.375 cw(c-53.086,87.375) -53.086,89.915 S203.1@-49.75,89.915
NetD204_1: D204.1 S204.1 | length 8
  Component Side w0.203: S204.1@-63.8,89.415 -60.579,89.415 cw(c-60.579,86.875) -58.039,86.875 D204.1@-58.039,86.05
NetD205_1: D205.1 S205.1 | length 9.8
  Component Side w0.203: D205.1@-94.869,86.05 -94.869,87.375 cw(c-92.329,87.375) -92.329,89.915 S205.1@-87.85,89.915
NetD206_1: D206.1 S206.1 | length 9.8
  Component Side w0.203: D206.1@-113.919,86.05 -113.919,87.375 cw(c-111.379,87.375) -111.379,89.915 S206.1@-106.9,89.915
NetD207_1: D207.1 S207.1 | length 9.9
  Component Side w0.203: D207.1@-133.096,86.05 -133.096,87.375 cw(c-130.556,87.375) -130.556,89.915 S207.1@-125.95,89.915
NetD208_1: D208.1 S208.1 | length 9.8
  Component Side w0.203: D208.1@-152.019,86.05 -152.019,87.375 cw(c-149.479,87.375) -149.479,89.915 S208.1@-145,89.915
NetD209_1: D209.1 S209.1 | length 9.8
  Component Side w0.203: D209.1@-171.069,86.05 -171.069,87.375 cw(c-168.529,87.375) -168.529,89.915 S209.1@-164.05,89.915
NetD210_1: D210.1 S210.1 | length 26.3
  Component Side w0.203: D210.1@-208.026,86.05 -196.307,86.05 ccw(c-196.307,88.59) -194.511,86.794 -192.134,89.171 cw(c-190.338,87.375) -190.338,89.915 S210.1@-183.1,89.915
NetD211_1: D211.1 S211.1 | length 11.2
  Component Side w0.203: D211.1@-210.439,85.963 D211.1@-210.439,86.05 -210.439,87.375 cw(c-207.899,87.375) -207.899,89.915 S211.1@-202.15,89.915
NetD212_1: D212.1 S212.1 | length 8.7
  Component Side w0.203: D212.1@-227.076,86.05 -227.076,87.375 cw(c-224.536,87.375) -224.536,89.915 S212.1@-221.2,89.915
NetD213_1: D213.1 S213.1 | length 8
  Component Side w0.203: S213.1@-235.25,89.415 -232.029,89.415 cw(c-232.029,86.875) -229.489,86.875 D213.1@-229.489,86.05
NetD214_1: D214.1 S214.1 | length 10.4
  Component Side w0.203: S214.1@-254.3,89.415 -248.666,89.415 cw(c-248.666,86.875) -246.126,86.875 D214.1@-246.126,86.05
NetD215_1: D215.1 S215.2 | length 34.1
  Component Side w0.203: D215.1@-46.101,67 -46.101,67.564 cw(c-44.45,67.564) v1(-44.45,69.215)
  Bottom Layer w0.203: v1(-44.45,69.215) -37.846,69.215 ccw(c-37.846,70.269) -36.793,70.239 ccw(c-36.996,70.245) -36.793,70.258 cw(c-35.225,70.365) -36.306,71.505 cw(c-35.225,70.365) -33.663,70.539 ; -36.793,70.259 cw(c-35.225,70.365) -36.792,70.482 ; -33.663,70.539 ccw(c-33.461,70.561) -33.461,70.358 -21.59,70.358 -16.92,70.358 ccw(c-16.92,70.865) S215.2@-16.412,70.865
NetD216_1: D216.1 S216.1 | length 11
  Component Side w0.203: D216.1@-48.514,67.04 -48.514,68.325 cw(c-45.974,68.325) -45.974,70.865 S216.1@-40.225,70.865
NetD217_1: D217.1 S217.1 | length 9.8
  Component Side w0.203: D217.1@-66.294,67 -66.294,68.325 cw(c-63.754,68.325) -63.754,70.865 S217.1@-59.275,70.865
NetD218_1: D218.1 S218.1 | length 9.8
  Component Side w0.203: D218.1@-85.344,67 -85.344,68.325 cw(c-82.804,68.325) -82.804,70.865 S218.1@-78.325,70.865
NetD219_1: D219.1 S219.1 | length 8.7
  Component Side w0.203: D219.1@-103.251,67 -103.251,68.325 cw(c-100.711,68.325) -100.711,70.865 S219.1@-97.375,70.865
NetD220_1: D220.1 S220.1 | length 8
  Component Side w0.203: S220.1@-111.425,70.365 -108.204,70.365 cw(c-108.204,67.825) -105.664,67.825 D220.1@-105.664,67
NetD221_1: D221.1 S221.1 | length 9.9
  Component Side w0.203: D221.1@-142.621,67 -142.621,68.325 cw(c-140.081,68.325) -140.081,70.865 S221.1@-135.475,70.865
NetD222_1: D222.1 S222.1 | length 26.3
  Component Side w0.203: D222.1@-179.451,67 -168.24,67 ccw(c-168.24,69.54) -166.444,67.744 -164.067,70.121 cw(c-162.271,68.325) -162.271,70.865 S222.1@-154.525,70.865
NetD223_1: D223.1 S223.1 | length 11.1
  Component Side w0.203: D223.1@-181.864,67 -181.864,68.325 cw(c-179.324,68.325) -179.324,70.865 S223.1@-173.575,70.865
NetD224_1: D224.1 S224.1 | length 9.8
  Component Side w0.203: D224.1@-199.644,67 -199.644,68.325 cw(c-197.104,68.325) -197.104,70.865 S224.1@-192.625,70.865
NetD225_1: D225.1 S225.1 | length 9.2
  Component Side w0.203: D225.1@-217.551,67 -217.551,68.905 cw(c-215.011,68.905) -215.011,71.445 S225.1@-211.715,71.445
NetD226_1: D226.1 S226.1 | length 8
  Component Side w0.203: S226.1@-225.725,70.365 -222.504,70.365 cw(c-222.504,67.825) -219.964,67.825 D226.1@-219.964,67
NetD227_1: D227.1 S227.1 | length 10.6
  Component Side w0.203: S227.1@-244.775,70.365 -239.014,70.365 cw(c-239.014,67.825) -236.474,67.825 D227.1@-236.474,67
NetD228_1: D228.1 S228.2 | length 34.9
  Component Side w0.203: S228.2@-278.344,89.915 ccw(c-277.844,89.915) -277.844,89.415 -275.107,89.415 ccw(c-275.107,89.618) -274.905,89.595 cw(c-273.344,89.415) -271.783,89.595 ccw(c-271.581,89.618) -271.581,89.415 -270.45,89.415 cw(c-270.449,89.212) -270.262,89.292 ccw(c-268.819,89.915) -267.376,89.292 cw(c-267.189,89.212) -267.188,89.415 S228.2@-263.819,89.415 -263.819,88.59 ccw(c-261.279,88.59) -261.279,86.05 D228.1@-248.539,86.05
NetD229_1: D229.1 S229.1 | length 59.6
  Component Side w0.203: D229.1@-50.673,47.95 -44.598,47.95 ccw(c-44.598,50.49) -42.058,50.49 -42.058,50.818 cw(c-40.31,50.818) -42.047,51.008 ccw(c-42.249,51.03) -42.048,51.055 cw(c-39.987,51.315) -42.058,51.16 ; -42.058,51.161 cw(c-39.987,51.315) -41.122,53.054 cw(c-39.987,51.315) -40.008,53.391 cw(c-39.987,51.315) -39.994,53.391 ccw(c-40.008,54.442) -39.265,53.699 v2(-39.243,53.721) ; -17.241,53.367 ccw(c-17.241,51.815) S229.1@-18.794,51.815 cw(c-17.223,51.815) -17.223,53.385 -14.094,53.385 cw(c-14.031,51.815) -13.785,53.367 cw(c-14.031,51.815) -12.524,52.26 ccw(c-12.329,52.317) -12.497,52.202 cw(c-13.794,51.315) -12.257,51.644 ccw(c-12.058,51.686) -12.257,51.642 ccw(c-12.058,51.686) -12.193,51.534 ccw(c-11.609,52.202) -11.61,51.315 ; -11.609,51.315 -10.795,51.315 S229.1@-9.031,51.315
  Bottom Layer w0.203: v2(-39.243,53.721) cw(c-38.45,52.928) -38.45,54.049 -21.54,54.049 cw(c-21.54,51.509) -19.744,53.305 S229.1@-19.162,52.723 ; S229.1@-18.794,51.815 cw(c-18.794,51.309) -18.288,51.309 -18.288,45.191 ccw(c-16.412,45.191) S229.1@-16.412,43.315
NetD230_1: D230.1 S230.1 | length 11
  Component Side w0.203: D230.1@-53.213,47.95 -53.213,49.275 cw(c-50.673,49.275) -50.673,51.815 S230.1@-44.987,51.815
NetD231_1: D231.1 S231.1 | length 9.7
  Component Side w0.203: D231.1@-70.993,47.95 -70.993,49.275 cw(c-68.453,49.275) -68.453,51.815 S231.1@-64.037,51.815
NetD232_1: D232.1 S232.1 | length 9.9
  Component Side w0.203: D232.1@-90.17,47.95 -90.17,49.275 cw(c-87.63,49.275) -87.63,51.815 S232.1@-83.087,51.815
NetD233_1: D233.1 S233.1 | length 8.3
  Component Side w0.203: D233.1@-107.696,47.95 -107.696,49.275 cw(c-105.156,49.275) -105.156,51.815 S233.1@-102.137,51.815
NetD234_1: D234.1 S234.1 | length 8.1
  Component Side w0.203: S234.1@-116.187,51.315 -112.903,51.315 cw(c-112.903,48.775) -110.363,48.775 D234.1@-110.363,47.95
NetD235_1: D235.1 S235.1 | length 26.2
  Component Side w0.203: D235.1@-165.1,47.95 -154.016,47.95 ccw(c-154.016,50.49) -152.22,48.694 -149.843,51.071 cw(c-148.047,49.275) -148.047,51.815 S235.1@-140.237,51.815
NetD236_1: D236.1 S236.1 | length 11
  Component Side w0.203: D236.1@-167.513,47.95 -167.513,49.275 cw(c-164.973,49.275) -164.973,51.815 S236.1@-159.287,51.815
NetD237_1: D237.1 S237.1 | length 9.9
  Component Side w0.203: D237.1@-185.42,47.95 -185.42,49.275 cw(c-182.88,49.275) -182.88,51.815 S237.1@-178.337,51.815
NetD238_1: D238.1 S238.1 | length 8.7
  Component Side w0.203: D238.1@-203.327,47.95 -203.327,49.275 cw(c-200.787,49.275) -200.787,51.815 S238.1@-197.387,51.815
NetD239_1: D239.1 S239.1 | length 7.8
  Component Side w0.203: S239.1@-211.437,51.315 -208.407,51.315 cw(c-208.407,48.775) -205.867,48.775 D239.1@-205.867,47.95
NetD240_1: D240.1 S240.1 | length 8.6
  Component Side w0.203: D240.1@-241.3,47.95 -241.3,49.275 cw(c-238.76,49.275) -238.76,51.815 S240.1@-235.487,51.815
NetD241_1: D241.1 S241.1 | length 7.9
  Component Side w0.254: S241.1@-249.512,51.315 -246.38,51.315 cw(c-246.38,48.775) -243.84,48.775 D241.1@-243.84,47.95
NetD242_1: D242.1 S242.1 | length 19
  Component Side w0.203: S242.1@-268.478,70.106 -268.478,70.866 cw(c-267.589,70.866) -267.589,71.755 -256.921,71.755 cw(c-256.921,69.215) -254.381,69.215 D242.1@-254.381,67
NetD243_1: D243.1 S243.2 | length 44.5
  Component Side w0.203: D243.1@-43.688,28.9 -43.688,28.575 ccw(c-42.418,28.575) -42.418,27.305 -40.767,27.305 ccw(c-40.767,29.718) v2(-38.354,29.718)
  Bottom Layer w0.203: v2(-38.354,29.718) cw(c-38.354,30.391) -39.027,30.391 -39.027,33.274 -39.027,34.036 -39.027,34.67 cw(c-38.824,34.67) -38.948,34.832 ccw(c-41.212,37.79) -37.508,37.389 cw(c-37.306,37.368) -37.376,37.558 cw(c-36.487,35.179) -36.487,37.719 -21.096,37.719 cw(c-21.096,35.179) -18.556,35.179 S243.2@-18.556,32.265 cw(c-18.056,32.265) -18.056,32.765 S243.2@-14.031,32.765
NetD244_1: D244.1 S244.1 | length 8.6
  Component Side w0.203: D244.1@-41.275,28.9 -41.275,30.225 cw(c-38.735,30.225) -38.735,32.765 S244.1@-35.46,32.765
NetD245_1: D245.1 S245.1 | length 9.7
  Component Side w0.203: D245.1@-61.468,28.9 -61.468,30.225 cw(c-58.928,30.225) -58.928,32.765 S245.1@-54.512,32.765
NetD246_1: D246.1 S246.1 | length 9.9
  Component Side w0.203: D246.1@-80.645,28.9 -80.645,30.225 cw(c-78.105,30.225) -78.105,32.765 S246.1@-73.562,32.765
NetD247_1: D247.1 S247.1 | length 7.6
  Component Side w0.203: D247.1@-97.409,28.9 -97.409,30.225 cw(c-94.869,30.225) -94.869,32.765 S247.1@-92.612,32.765
NetD248_1: D248.1 S248.1 | length 9.1
  Component Side w0.203: S248.1@-106.662,32.265 -102.362,32.265 cw(c-102.362,29.725) -99.822,29.725 D248.1@-99.822,28.9
NetD249_1: D249.1 S249.1 | length 9.7
  Component Side w0.203: D249.1@-137.668,28.9 -137.668,30.225 cw(c-135.128,30.225) -135.128,32.765 S249.1@-130.712,32.765
NetD250_1: D250.1 S250.1 | length 9.9
  Component Side w0.203: D250.1@-156.845,28.9 -156.845,30.225 cw(c-154.305,30.225) -154.305,32.765 S250.1@-149.762,32.765
NetD251_1: D251.1 S251.1 | length 9.9
  Component Side w0.203: D251.1@-175.895,28.9 -175.895,30.225 cw(c-173.355,30.225) -173.355,32.765 S251.1@-168.812,32.765
NetD252_1: D252.1 S252.1 | length 9.9
  Component Side w0.203: D252.1@-194.945,28.9 -194.945,30.225 cw(c-192.405,30.225) -192.405,32.765 S252.1@-187.862,32.765
NetD253_1: D253.1 S253.1 | length 9.9
  Component Side w0.203: D253.1@-213.995,28.9 -213.995,30.225 cw(c-211.455,30.225) -211.455,32.765 S253.1@-206.912,32.765
NetD254_1: D254.1 S254.1 | length 10.2
  Component Side w0.203: D254.1@-232.918,28.9 ccw(c-232.847,28.9) -232.847,28.829 -228.502,28.829 ccw(c-228.502,31.369) -225.962,31.369 S254.1@-225.962,32.765
  Component Side w0.254: S254.1@-226.272,33.075 S254.1@-226.002,33.345
NetD255_1: D255.1 S255.1 | length 6.9
  Component Side w0.203: S255.1@-273.35,32.265 -271.272,32.265 cw(c-271.272,29.725) -268.732,29.725 D255.1@-268.732,28.9
NetD256_1: D256.1 S256.2 | length 8.6
  Component Side w0.254: D256.1@-271.272,47.95 -268.99,47.95 ccw(c-268.99,50.49) -266.45,50.49 S256.2@-266.45,51.815 ; S256.2@-267.099,54.345 cw(c-267.099,53.696) S256.2@-266.45,53.696
NetD257_1: D257.1 S257.2 | length 37.7
  Component Side w0.254: D257.1@-47.498,9.85 -35.667,9.85 cw(c-35.667,7.31) -33.871,9.106 -32.494,7.729 ccw(c-30.698,9.525) -30.698,6.985 -18.952,6.985 ccw(c-18.952,9.525) -16.412,9.525 S257.2@-16.412,13.715
NetD258_1: D258.1 S258.1 | length 16.6
  Component Side w0.203: D258.1@-49.911,9.85 cw(c-48.585,9.85) -48.585,11.176 -37.258,11.176 ccw(c-37.258,13.215) S258.1@-35.219,13.215
NetD259_1: D259.1 S259.1
NetD260_1: D260.1 S260.1 | length 25.9
  Component Side w0.203: S260.1@-89.993,13.215 ccw(c-88.533,13.215) -88.533,11.755 -78.604,11.755 ccw(c-78.604,13.335) -78.345,11.776 ccw(c-78.604,13.335) -77.024,13.335 -77.024,13.715 cw(c-75.819,13.715) -76.966,14.083 ; -76.541,14.68 ccw(c-75.819,13.715) -76.966,14.083 ; -73.427,13.014 cw(c-72.991,14.776) -74.69,14.136 ccw(c-75.819,13.715) -76.966,14.083 ; -73.297,12.986 ccw(c-72.991,14.776) -73.233,12.977 ccw(c-72.991,14.776) -72.991,12.96 -71.857,12.96 cw(c-71.857,12.192) -71.769,12.955 -71.769,12.954 cw(c-71.772,12.751) -71.741,12.952 cw(c-71.857,12.192) -71.323,12.744 cw(c-71.857,12.192) -71.088,12.192 -71.088,10.784 cw(c-72.241,10.784) -71.313,10.1 cw(c-72.241,10.784) D260.1@-71.426,9.969
NetD261_1: D261.1 S261.2 | length 31.1
  Component Side w0.203: D261.1@-153.924,9.85 -150.043,9.85 ccw(c-150.043,12.065) -147.828,12.065 cw(c-146.178,12.065) -146.178,13.715 S261.2@-144.999,13.715 -144.017,13.715 cw(c-144.017,12.319) -142.621,12.319 ccw(c-141.097,12.319) -141.097,10.795 -130.513,10.795 ccw(c-130.513,13.215) S261.2@-128.093,13.215
NetD262_1: D262.1 S262.1 | length 7.4
  Component Side w0.203: S262.1@-161.431,13.215 -161.431,12.39 ccw(c-158.891,12.39) -158.891,9.85 D262.1@-156.337,9.85